# Altium PCB 606-100862-r02.pcbdoc (part 1 of 3) (continued)
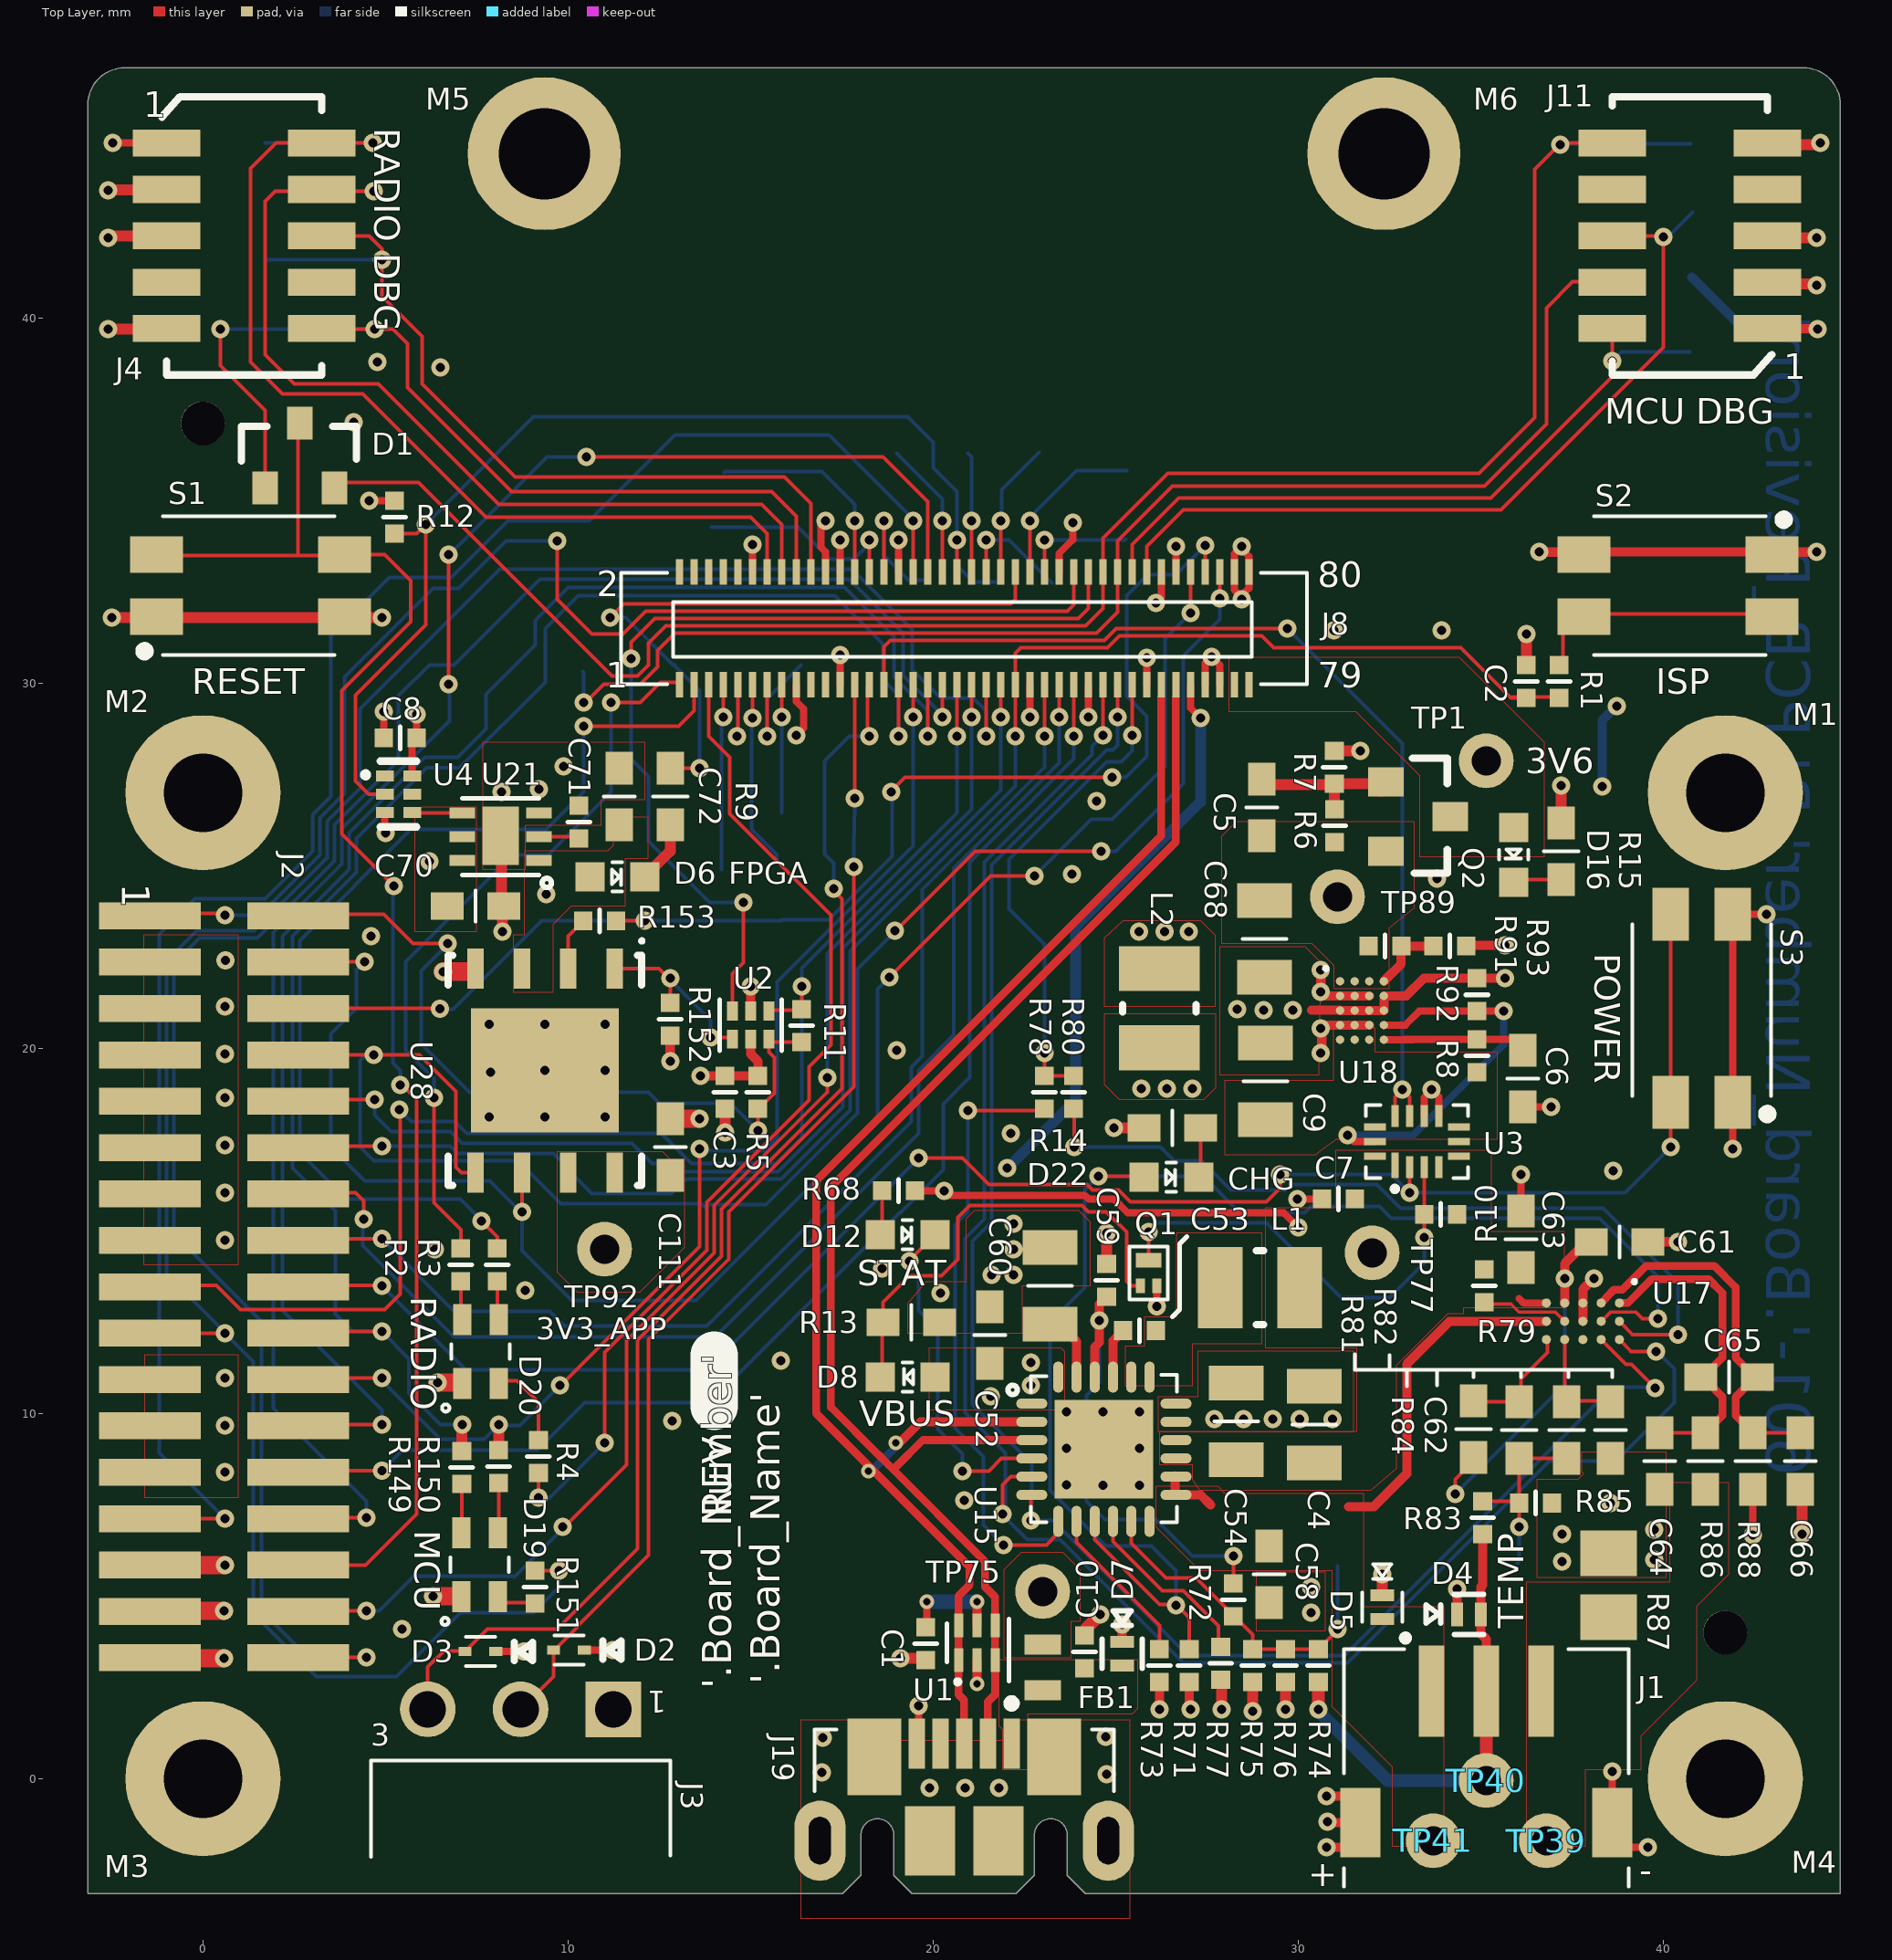
[diagram p0: Top Layer view]
## Components (designator, comment, footprint, x,y, rotation, side; value= is the part's Value field where it differs from the comment) (continued)
U3 "SLG4B41337" stqfn14_250x160x60 33.25,17.45 r90 top
U4 "NC7S04L6X" DFN6-NC7S04_110H 5.358,26.964 r270 top
U15 "BQ24297" QFN24_BQ24297RGE 24.679,9.02 r0 top
U17 "BQ27520" BGA15_BQ27520YZFR 37.8,12.525 r270 top
U18 "TPS630250" bga20_tps630252-YFF 31.748,21.037 r0 top
U21 "TPS73733DRVR" SON6_TPS73733DRV 8.15,25.8 r90 top
U28 "N25Q032A13EF640E" MLP8_N25Q032A_F6 9.372,19.39 r270 top

## Footprints (in the part's own frame and the unit in brackets; to place one, negate y for a bottom-side part, rotate by r counter-clockwise, add the part's x,y. Pads: shape width x height; smd on the part's side, far side on the other; paste and mask are expansions set on the pad)
0402-IPCsm_40#1 [mm] "0402-IPCSM_40"
  rect 0.5x0.52 smd mask+0: 1(-0.45,0) 2(0.45,0)
  silkscreen extent 0,-0.3 0,0.3
0402-IPCsm_40#2 [mm] "0402-IPCSM_40"
  rect 0.5x0.52 smd: 1(-0.45,0) 2(0.45,0)
  silkscreen extent 0,-0.3 0,0.3
0402-IPCsm_55#1 [mm] "0402-IPCSM_55"
  rect 0.5x0.52 smd mask+0: 1(-0.45,0) 2(0.45,0)
  silkscreen extent 0,-0.3 0,0.3
0402-IPCsm_55#2 [mm] "0402-IPCSM_55"
  rect 0.5x0.52 smd: 1(-0.45,0) 2(0.45,0)
  silkscreen extent 0,-0.3 0,0.3
0603-IPCsm_56#1 [mm] "0603-IPCSM_56"
  rect 0.9x0.75 smd mask+0: 1(-0.775,0) 2(0.775,0)
  silkscreen extent 0,-0.47 0,0.48
0603-IPCsm_56#2 [mm] "0603-IPCSM_56"
  rect 0.9x0.75 smd: 1(-0.775,0) 2(0.775,0)
  silkscreen extent 0,-0.47 0,0.48
0603-IPCsm_90#1 [mm] "0603-IPCSM_90"
  rect 0.9x0.75 smd mask+0: 1(0.775,0) 2(-0.775,0)
  silkscreen extent 0,-0.42 0,0.42
0603-IPCsm_90#2 [mm] "0603-IPCSM_90"
  rect 0.9x0.75 smd: 1(0.775,0) 2(-0.775,0)
  silkscreen extent 0,-0.42 0,0.42
0603-ipcsm_90#1 [mm] "0603-IPCSM_90"
  rect 0.9x0.75 smd mask+0: 1(0.775,0) 2(-0.775,0)
  silkscreen extent 0,-0.42 0,0.42
0603-ipcsm_90#2 [mm] "0603-IPCSM_90"
  rect 0.9x0.75 smd: 1(0.775,0) 2(-0.775,0)
  silkscreen extent 0,-0.42 0,0.42
0805-IPCsm_100 [mm] "0805-IPCSM_100"
  rect 0.95x1.5 smd: 1(-1.05,0) 2(1.05,0)
  silkscreen extent 0,-0.6 0,0.6
0805-ipcsm_145#1 [mm] "0805-IPCSM_145"
  rect 0.95x1.5 smd mask+0: 1(-1.05,0) 2(1.05,0)
  silkscreen extent 0,-0.6 0,0.6
0805-ipcsm_145#2 [mm] "0805-IPCSM_145"
  rect 0.95x1.5 smd: 1(-1.05,0) 2(1.05,0)
  silkscreen extent 0,-0.6 0,0.6
BGA15_BQ27520YZFR [mm] "IC BATT FUEL GAUGE LIION 15DSBGA"
  round 0.25 smd: A1(-0.5,1) A2(0,1) A3(0.5,1) B1(-0.5,0.5) B2(0,0.5) B3(0.5,0.5) C1(-0.5,0) C2(0,0) C3(0.5,0) D1(-0.5,-0.5) D2(0,-0.5) D3(0.5,-0.5) E1(-0.5,-1) E2(0,-1) E3(0.5,-1)
  silkscreen extent -1.13,1.36 -1.04,1.46
bga20_tps630252-YFF [mm] "IC REG BCK BST 3.3V 3.5A 20DSBGA"
  round 0.23 smd: A1(-0.6,0.8) A2(-0.2,0.8) A3(0.2,0.8) A4(0.6,0.8) B1(-0.6,0.4) B2(-0.2,0.4) B3(0.2,0.4) B4(0.6,0.4) C1(-0.6,0) C2(-0.2,0) C3(0.2,0) C4(0.6,0) D1(-0.6,-0.4) D2(-0.2,-0.4) D3(0.2,-0.4) D4(0.6,-0.4) E1(-0.6,-0.8) E2(-0.2,-0.8) E3(0.2,-0.8) E4(0.6,-0.8)
  silkscreen extent -1.04,1.1 -0.94,1.2
con80_hirose-df40c-80ds_129h [mm] "CONN RCPT 80POS 0.4MM SMD GOLD"
  rect 0.2x0.7 smd mask+0: 1(7.8,1.54) 2(7.8,-1.54) 3(7.4,1.54) 4(7.4,-1.54) 5(7,1.54) 6(7,-1.54) 7(6.6,1.54) 8(6.6,-1.54) 9(6.2,1.54) 10(6.2,-1.54) 11(5.8,1.54) 12(5.8,-1.54) 13(5.4,1.54) 14(5.4,-1.54) 15(5,1.54) 16(5,-1.54) 17(4.6,1.54) 18(4.6,-1.54) 19(4.2,1.54) 20(4.2,-1.54) 21(3.8,1.54) 22(3.8,-1.54) 23(3.4,1.54) 24(3.4,-1.54) 25(3,1.54) 26(3,-1.54) 27(2.6,1.54) 28(2.6,-1.54) 29(2.2,1.54) 30(2.2,-1.54) 31(1.8,1.54) 32(1.8,-1.54) 33(1.4,1.54) 34(1.4,-1.54) 35(1,1.54) 36(1,-1.54) 37(0.6,1.54) 38(0.6,-1.54) 39(0.2,1.54) 40(0.2,-1.54) 41(-0.2,1.54) 42(-0.2,-1.54) 43(-0.6,1.54) 44(-0.6,-1.54) 45(-1,1.54) 46(-1,-1.54) 47(-1.4,1.54) 48(-1.4,-1.54) 49(-1.8,1.54) 50(-1.8,-1.54) 51(-2.2,1.54) 52(-2.2,-1.54) 53(-2.6,1.54) 54(-2.6,-1.54) 55(-3,1.54) 56(-3,-1.54) 57(-3.4,1.54) 58(-3.4,-1.54) 59(-3.8,1.54) 60(-3.8,-1.54) 61(-4.2,1.54) 62(-4.2,-1.54) 63(-4.6,1.54) 64(-4.6,-1.54) 65(-5,1.54) 66(-5,-1.54) 67(-5.4,1.54) 68(-5.4,-1.54) 69(-5.8,1.54) 70(-5.8,-1.54) 71(-6.2,1.54) 72(-6.2,-1.54) 73(-6.6,1.54) 74(-6.6,-1.54) 75(-7,1.54) 76(-7,-1.54) 77(-7.4,1.54) 78(-7.4,-1.54) 79(-7.8,1.54) 80(-7.8,-1.54)
  silkscreen extent -9.4,-1.52 9.4,1.52
CON_HDR_1X3_RA [mil] "CON_HDR_1X3"
  rect 60x60 hole 39.37: 1(-100,0)
  round 60 hole 39.37: 2(0,0) 3(100,0)
  silkscreen extent -161,55 161,159
con_hdr_2x5_smt_50l#1 [mm] "CON_HDR_2X5_SMT_50L"
  rect 1.85x0.74 smd mask+0: 1(-2.125,2.54) 2(2.125,2.54) 3(-2.125,1.27) 4(2.125,1.27) 5(-2.125,0) 6(2.125,0) 7(-2.125,-1.27) 8(2.125,-1.27) 9(-2.125,-2.54) 10(2.125,-2.54)
  silkscreen extent -2.25,-3.81 2.12,3.81
con_hdr_2x5_smt_50l#2 [mm] "CON_HDR_2X5_SMT_50L"
  rect 1.85x0.74 smd: 1(-2.125,2.54) 2(2.125,2.54) 3(-2.125,1.27) 4(2.125,1.27) 5(-2.125,0) 6(2.125,0) 7(-2.125,-1.27) 8(2.125,-1.27) 9(-2.125,-2.54) 10(2.125,-2.54)
  silkscreen extent -2.25,-3.81 2.12,3.81
CON_JST_S3B-ZR-SM4A [mm] "CON_JST_S3B-ZR-SM4A"
  rect 0.7x2.5 smd mask+0: 1(1.5,-1.25) 2(0,-1.25) 3(-1.5,-1.25)
  rect 1.1x1.9 smd mask+0: 4(-3.45,2.35) 5(3.45,2.35)
  silkscreen extent -3.9,-2.79 3.9,4.1
CON_USB_MOLEX_105164-0001 [mm] "CON_USB_MOLEX_105164-0001"
  rect 0.45x1.38 smd mask+0: 1(-1.3,0) 2(-0.65,0) 3(0,0) 4(0.65,0) 5(1.3,0)
  rect 1.475x2.1 smd mask+0: 6(-2.462,0.36) 7(2.462,0.36)
  rect 1.375x1.9 smd mask+0: 8(-0.938,2.66) 9(0.938,2.66)
  oval 1.4x2.2 hole 0.6 slot 1.3 at 90 deg mask+0: 10(-3.95,2.66) 11(3.95,2.66)
  silkscreen extent -4.1,-1.2 4.1,1.3
DFN3-1006_50H [mm] "MOSFET N-CH 60V 260MA 3DFN"
  rect 0.4x0.7 smd mask+0: D(0.35,0)
  rect 0.4x0.25 smd mask+0: G(-0.35,0.225) S(-0.35,-0.225)
  silkscreen extent -0.72,-0.53 0.72,0.53
DFN6-NC7S04_110H [mm] "Inverter IC 1 Channel 6-MicroPak"
  rect 0.3x0.49 smd paste-0.025 mask+0: 1(-0.5,-0.375) 2(0,-0.375) 3(0.5,-0.375) 4(0.5,0.375) 5(0,0.375) 6(-0.5,0.375)
  silkscreen extent -0.9,-0.92 0.9,0.5
FTSH-117-01-XXX-DV-K [mil]
  rect 29x110 smd mask+0: 1(-400,-80) 2(-400,80) 3(-350,-80) 4(-350,80) 5(-300,-80) 6(-300,80) 7(-250,-80) 8(-250,80) 9(-200,-80) 10(-200,80) 11(-150,-80) 12(-150,80) 13(-100,-80) 14(-100,80) 15(-50,-80) 16(-50,80) 17(0,-80) 18(0,80) 19(50,-80) 20(50,80) 21(100,-80) 22(100,80) 23(150,-80) 24(150,80) 25(200,-80) 26(200,80) 27(250,-80) 28(250,80) 29(300,-80) 30(300,80) 31(350,-80) 32(350,80) 33(400,-80) 34(400,80)
ind-0603_38H [mm] "Chip Inductor, 2-Leads, Body 1.60x0.80mm, IPC Medium Density"
  rect 0.55x1 smd: 1(-0.625,0) 2(0.625,0)
ind-1008_35H [mm] "Chip Inductor, 2-Leads, Body 2.50x2.00mm, IPC Medium Density"
  rect 1.23x2.22 smd: 1(-1.085,0) 2(1.085,0)
  silkscreen extent -0.1,-1.01 0.1,1.01
led_ltst-c191kgkt_s80#1 [mm] "LED_LTST-C191KGKT_S80"
  rect 0.8x0.8 smd mask+0: 1(-0.75,0) 2(0.75,0)
  silkscreen extent -0.15,-0.4 0.13,0.4
led_ltst-c191kgkt_s80#2 [mm] "LED_LTST-C191KGKT_S80"
  rect 0.8x0.8 smd: 1(-0.75,0) 2(0.75,0)
  silkscreen extent -0.15,-0.4 0.13,0.4
led_RBG_1p6x1p6_sm [mm] "led_RBG_1p6x1p6_sm"
  rect 0.85x0.5 smd mask+0: 1(0.875,-0.5) 2(-0.875,-0.5) 3(-0.875,0.5) 4(0.875,0.5)
  silkscreen extent -0.2,-1.05 1.65,0.8
MLP8_N25Q032A_F6 [mm] "SON, 8-Leads, Body 5.00x6.00mm, Pitch 1.27mm, Thermal Pad 4.05x3.40mm, IPC Medium Density"
  rect 1.1x0.45 smd: 1(-2.79,1.905) 2(-2.79,0.635) 3(-2.79,-0.635) 4(-2.79,-1.905) 5(2.79,-1.905) 6(2.79,-0.635) 7(2.79,0.635) 8(2.79,1.905)
  rect 3.4x4.05 smd paste-1.7: 9(0,0)
  silkscreen extent -3.6,-2.65 3.15,2.7
MTGC425H215P [mm] "MTGC425H215P"
  round 4.25 hole 2.15: 1(0.007,0.011)
QFN24_BQ24297RGE [mm] "QFN24_BQ24297RGE"
  oval 0.85x0.28 smd mask+0: 1(-1.975,1.25) 2(-1.975,0.75) 3(-1.975,0.25) 4(-1.975,-0.25) 5(-1.975,-0.75) 6(-1.975,-1.25) 13(1.975,-1.25) 14(1.975,-0.75) 15(1.975,-0.25) 16(1.975,0.25) 17(1.975,0.75) 18(1.975,1.25)
  oval 0.28x0.85 smd mask+0: 7(-1.25,-1.975) 8(-0.75,-1.975) 9(-0.25,-1.975) 10(0.25,-1.975) 11(0.75,-1.975) 12(1.25,-1.975) 19(1.25,1.975) 20(0.75,1.975) 21(0.25,1.975) 22(-0.25,1.975) 23(-0.75,1.975) 24(-1.25,1.975)
  rect 2.7x2.7 smd paste-2.7 mask+0: pad(0,0)
  silkscreen extent -2.63,-2 2,2.03
r-0805_20H [mm] "Chip Resistor, 2-Leads, Body 2.03x1.27mm, IPC Medium Density"
  rect 1.25x1.55 smd: 1(-0.875,0) 2(0.875,0)
SOD882-60 [mm] "SOD882 .6mm High"
  rect 0.325x0.65 smd: A(0.325,0) C(-0.325,0)
  silkscreen extent -0.4,-0.55 1.18,0.55
sod923-40 [mm] "SOD923 .4mm High"
  rect 0.36x0.25 smd: A(0.42,0) C(-0.42,0)
  silkscreen extent -0.4,-0.4 1.44,0.4
SON6_TI_DRY [mm] "IC REG LDO 3.3V 1A 6SON"
  rect 0.3x0.52 smd paste-5 mask+0: 1(-0.5,-0.385) 2(0,-0.385) 3(0.5,-0.385) 4(0.5,0.385) 5(0,0.385) 6(-0.5,0.385)
  silkscreen extent -0.85,-0.7 0.85,0.7
SON6_TPS73733DRV [mm] "IC REG LDO 3.3V 1A 6SON"
  rect 0.3x0.7 smd paste-0.05: 1(-0.65,-1.05) 2(0,-1.05) 3(0.65,-1.05) 4(0.65,1.05) 5(0,1.05) 6(-0.65,1.05)
  rect 1.6x1 smd paste-0.05: 7(0.025,0)
  silkscreen extent -1.4,-1.4 1.05,1.05
SOT23_44H [mm] "SOT23_44H"
  rect 0.7x0.9 smd: 1(-0.95,-1.122) 2(0.95,-1.122) 3(0,0.648)
  silkscreen extent -1.6,-0.39 1.55,0.56
SOT23_112 [mm] "SOT23_112"
  rect 0.802x0.972 smd: 1(0,0) 2(1.9,0) 3(0.95,1.77)
  silkscreen extent -0.65,0.73 2.5,1.68
standoff_hole2p50p [mm] "standoff_hole2p50p"
  round 4.19 hole 2.5: 1(0,0)
stqfn14_250x160x60 [mm] "STQFN14"
  rect 0.7x0.2 smd mask+0: 1(-0.65,0.6)
  rect 0.6x0.2 smd mask+0: 2(-0.7,0.2) 3(-0.7,-0.2) 4(-0.7,-0.6) 8(0.7,-0.6) 9(0.7,-0.2) 10(0.7,0.2) 11(0.7,0.6)
  rect 0.2x0.6 smd mask+0: 5(-0.4,-1.15) 6(0,-1.15) 7(0.4,-1.15) 12(0.4,1.15) 13(0,1.15) 14(-0.4,1.15)
  silkscreen extent -1.34,-1.4 1,1.4
SW_EVQP2 [mm] "SW_EVQP2"
  rect 1.45x1 smd mask+0: 1(-2.575,-0.85) 2(-2.575,0.85) 3(2.575,-0.85) 4(2.575,0.85)
  silkscreen extent -3.02,-1.92 2.3,1.9
TP-S100_SMT [mm] "TP-S100_SMT"
  round 1 smd paste-0.5: 1(0,0)
TPC150H080P [mm]
  round 1.5 hole 0.8: 1(0,0)
"UQFN6_ USBULC6-2M6" [mm] "IC REG LDO 3.3V 1A 6SON"
  rect 0.25x0.65 smd paste-0.05 mask+0: 1(-0.5,-0.475) 2(0,-0.475) 3(0.5,-0.475) 4(0.5,0.475) 5(0,0.475) 6(-0.5,0.475)
  silkscreen extent -0.82,-1.12 0.87,0.65

## Part data
C1 C2 C3 C7 C8 C10: library part GRM155R71C104KA88D, "CAP CER .1UF 16V X7R 0402"
C4 C9 C54 C68: library part C2012X5R0J476M125AC, "CAP CER 47UF 6.3V 20% X5R 0805"
C5 C52 C58 C61: library part GRM188R61E105KA12D, "CAP CER 1UF 25V 10% X5R 0603"
C6 C62 C63 C64 C65 C66 C111: library part C0603C104J4RACTU, "CAP CER 0.1UF 16V 5% X7R 0603"
C53: library part C1005X7R1H473K050BB, "CAP CER 0.047UF 50V 10% X7R 0402"
C59: library part CL05A106MP5NUNC, "CAP CER 10UF 10V 20% X5R 0402"
C60: library part C2012JB1A226M085AC, "CAP CER 22UF 10V 20% JB 0805"
C70 C72: library part C1608X5R1A106K080AC, "CAP CER 10UF 10V 10% X5R 0603"
C71: library part GRM155R71E103KA01D, "CAP, 0.01 uF, 25V, 10%, 0402, X7R"
D1: "DIODE SWITCH DUAL CC 70V SOT23"
D2 D3: "TVS DIODE 3.3VWM 7.8VC SOD923"
D4 D5 D7: "TVS DIODE 5VWM 12VC SOD882"
D6 D8 D12 D16: library part LTST-C191KGKT, "LED GREEN CLEAR THIN 0603 SMD"
D19 D20: "LED RGB CLEAR 0606 SMD"
D22: library part LTST-C191KRKT, "LED RED CLEAR 0603 SMD"
FB1: library part MPZ1608S221A, "FERRITE CHIP 220 OHM 2A 0603"
J1: "3 Positions Header, Shrouded Connector 0.059\" (1.50mm) Surface Mount, Right Angle Tin"
J2: library part FTSH-117-01-F-DV-k, "34 Positions Header, Shrouded Connector 0.050\" (1.27mm) Surface Mount Gold"
J3: "3 Positions Header, Unshrouded Connector 0.100\" (2.54mm) Through Hole, Right Angle Gold"
J4 J11: "CONN HEADER .050\" 10PS DL SMD AU"
J8: library part DF40HC(3.0)-80DS-0.4V(51), "CONN RCPT 80POS 0.4MM SMD GOLD 3.0MM"
J19: library part 105164-0001, "USB - micro B Receptacle Connector 5 Position Surface Mount, Right Angle, Horizontal"
L1 L2: library part LQM2HPN1R0MG0L, "INDUCTOR 1.0UH 20% 1600MA 1008"
M1 M2 M3 M4: "MTG, 4.25mm PAD, 2.15mm Plated Hole"
M5 M6: "SMT mounted PEM Standoff, M1, length 3mm"
Q1: "MOSFET N-CH 60V 260MA 3DFN"
Q2: library part IRLML6401TRPBF, "MOSFET P-CH 12V 4.3A SOT-23"
R1: library part MCR01MZPJ101, "RES 100 OHM 5% 0402 SMD"
R2 R149: library part ERJ-2RKF2400X, "RES 240 OHM 1/10W 1% 0402 SMD"
R3 R4 R150 R151: library part RC0402FR-07124RL, "RES SMD 124 OHM 1% 1/16W 0402"
R5 R12 R71 R73 R76 R79 R85 R92 R152: library part ERJ-2GEJ103X, "RES 10K OHM 1/10W 5% 0402 SMD"
R6 R7: library part ERJ-2GEJ104X, "RES 100K OHM 1/16W 5% 0402 SMD"
R8 R11 R74 R78 R80 R83: library part ERJ-2GE0R00X, "RES 0.0 OHM 1/10W JUMP 0402 SMD"
R9 R13 R14 R15 R84: library part RC0603FR-071KL, "RES 1K 1/10W 1% 0603 SMD"
R10: library part ERJ-2RKF3001X, "RES 3.00K OHM 1/16W 1% 0402 SMD"
R68: library part ERJ-2GEJ222X, "RES SMD 2.2K OHM 5% 1/10W 0402"
R72: library part ERJ-2RKF5231X, "RES 5.23K OHM 1/10W 1% 0402 SMD"
R75: library part ERJ-2RKF3162X, "RES 31.6K OHM 0.1W 1% 0402 SMD"
R77: library part ERJ-2RKF4300X, "RES 430 OHM 1/10W 1% 0402 SMD"
R81: library part ERJ-3EKF1804V, "RES 1.80M OHM 1/10W 1% 0603 SMD"
R82: library part ERJ-3EKF1822V, "RES 18.2K OHM 1/10W 1% 0603 SMD"
R86 R88: library part ERJ-3GEYJ101V, "RES 100 OHM 1/10W 5% 0603 SMD"
R87: library part PMR10EZPFU10L0, "RES 0.01 OHM 1/2W 1% 0805 SMD"
R91: library part ERJ-2RKF5233X, "RES SMD 523K OHM 1% 1/10W 0402"
R93: library part ERJ-2RKF1433X, "RES 143K OHM 1/16W 1% 0402 SMD"
R153: library part ERJ-2GEJ330X, "RES 33 OHM 1/16W 5% 0402 SMD"
S1 S2 S3: "SWITCH TACTILE SPST-NO 0.02A 15V"
TP1 TP39 TP40 TP41 TP75 TP77 TP89 TP92: "TESTPOINT, 1.5mm pad, 0.8 mm plated"
TP2 TP3 TP4 TP5 TP6 TP7 TP8 TP9 TP10 TP11 TP12 TP13 TP14 TP15 TP16 TP17 TP18 TP19 TP20 TP21 TP22 TP23 TP24 TP25 TP26 TP27 TP28 TP29 TP30 TP31 TP32 TP33 TP34 TP35 TP36 TP37 TP38 TP42 TP43 TP44 TP45 TP46 TP47 TP48 TP49 TP50 TP51 TP52 TP53 TP54 TP55 TP56 TP57 TP58 TP59 TP60 TP61 TP62 TP78 TP79 TP80 TP81 TP82 TP84: library part TP0042, "TESTPOINT, 1MM SMD, Square pad, Round SM opening"
U1: "TVS DIODE 5VWM 17VC 6VFQFPN"
U2: library part SN74LVC1G18DRYR, "IC SGL OPEN DRAIN BUFFER SC70-5"
U3: "GreenPAK Programmable Mixed Signal Array 14 pin"
U4: "Inverter IC 1 Channel 6-MicroPak"
U15: library part BQ24297RGET, "IC LI+ CHARGER PWR MGMT 24VQFN"
U17: library part BQ27520YZFR-G4, "IC BATT FUEL GAUGE LIION 15DSBGA"
U18: library part TPS630250YFFT, "IC REG BCK BST ADJ 2A/4A 20DSBGA"
U21: "IC REG LDO 3.3V 1A 6SON"
U28: "IC FLASH 32MBIT 108MHZ 8VDFN"

## Free pads (board coordinates)
  round 1.2 hole 1.2 unplated: 0(0,37.113) 0(41.7,4)

## Via types
v1: diameter 0.5, hole 0.25, Top Layer to Bottom Layer, tented both sides, 293 vias
v2: diameter 0.5, hole 0.25, Top Layer to Bottom Layer, tented bottom, 9 vias
v3: diameter 0.5, hole 0.25, Top Layer to Bottom Layer, 8 vias
v4: diameter 0.4, hole 0.2, Top Layer to Bottom Layer, tented both sides, 5 vias

## Nets (pads, with @x,y where several pads share a name; then routed paths per layer and width w, separated by ;. In a path a pad name is that pad's centre, name@x,y a point inside that pad or via, vN(x,y) a via of type N, cw(c..) or ccw(c..) an arc to the next point about the centre after c; other vN are vias at no path point)
3V3_APP_EN: U4.4 U21.4 | length 1.5
  Top Layer w0.1: U4.4@5.733,26.464 5.747,26.45 U21.4@7.1,26.45 U21.4@7.033,26.517
3V3_APP_NEN: J8.40 R12.2 TP36.1 U4.2 | length 31.1
  Top Layer w0.1: U4.2@4.983,26.964 4.536,26.964 4.175,27.325 4.175,29.675 6.1,31.6 v1(6.1,34.35) 5.85,34.1 R12.2@5.25,34.1 ; J8.40@20.65,33.04 v1(20.65,33.925)
  Bottom Layer w0.1: v1(6.1,34.35) 9.05,37.3 19.3,37.3 20,36.6 20,35.9 20.65,35.25 v1(20.65,33.925) 20.65,33.225 21.1,32.775 TP36.1@21.475,32.775 TP36.1@21.85,32.775
3V6_EN: R92.1 U3.13 U18.D4 | length 10.5
  Top Layer w0.2: v1(31.35,17.625) 31.525,17.45 U3.13@32.1,17.45 ; U18.D4@32.348,20.637 32.937,20.637 33.315,21.015 R92.1@34.897,21.015 34.907,21.025 v1(35.625,21.025)
  Bottom Layer w0.2: v1(31.35,17.625) 33.155,17.625 35.625,20.095 v1(35.625,21.025)
3V6_FB: R91.2 R93.1 U18.A4 | length 2.1
  Top Layer w0.25: U18.A4@32.348,21.837 32.822,22.311 32.822,22.8 R91.2@32.825,22.8 R93.1@33.7,22.8 33.707,22.8 R93.1@33.747,22.84
3V6_OUT: C5.1 C68.1 Q2.2 R6.1 R91.1 TP89.1 U18.A1 U18.A2 U18.A3 | length 0.3
  Top Layer w0.2: C68.1@28.95,24.125 C68.1@29.05,24.025 ; C5.1@29,25.925 C5.1@29,26.125
3V6_VINA: C6.1 R8.2 U18.E4 | length 4.2
  Top Layer w0.2: U18.E4@32.348,20.237 33.138,20.237 33.125,20.25 ; 32.922,20.25 33.125,20.25 ; C6.1@36.15,19.95 35.85,20.25 R8.2@34.9,20.25 33.125,20.25
BAT_CE: R79.2 U17.D2 | length 2.4
  Top Layer w0.08: 35.825,13 36.05,12.775 37.048,12.775
  Top Layer w0.1: R79.2@35.1,13.098 35.198,13 35.825,13 ; 37.048,12.775 U17.D2@37.3,12.523
BAT_INT: R80.1 U17.A2 | length 22.4
  Top Layer w0.1: R80.1@23.85,18.35 23.862,18.338 v1(23.862,17.3) ; U17.A2@38.8,12.523 39.161,12.162 v1(40.4,12.162)
  Bottom Layer w0.1: v1(23.862,17.3) 26.225,17.3 26.6,16.925 27.35,16.925 28.151,16.124 29.659,16.124 29.811,16.276 32.149,16.276 32.8,15.625 38.35,15.625 40.4,13.575 v1(40.4,12.162)
BATCHG_INT: J8.63 R78.2 R80.2 TP84.1 | length 13.4
  Top Layer w0.1: v1(23.05,19.875) R78.2@23.05,19.25 R80.2@23.85,19.25 ; J8.63@25.41,29.832 25.451,29.791 v1(25.451,28.576)
  Bottom Layer w0.1: v1(23.05,19.875) 23.05,22.85 22.075,23.825 22.075,25.175 24.75,27.85 25.15,27.85 25.451,28.151 v1(25.451,28.576)
BATT+: C58.1 D5.C J1.1 TP41.1 U15.13 U15.14 U17.E2 | length 10.8
  Top Layer w0.25: U15.13@26.629,7.798 U15.14@26.629,8.298 ; U15.13@26.654,7.77 27.33,7.77 27.6,7.5 ; 31.375,7.45 32.075,7.45 32.975,8.35 32.975,11.35 34.148,12.523 U17.E2@36.8,12.523
BATT-: J1.3 R86.2 R87.1 TP39.1 | length 0.1
  Top Layer w0.25: R86.2@41.154,7.925 R86.2@41.154,8
BATT_TS: D4.C J1.2 R74.2 R83.2 TP40.1 | length 13.1
  Top Layer w0.25: D4.C@35,4.55 D4.C@35,4.5 ; R83.2@35.054,6.698 35.05,5.3 35.002,5.252 D4.C@35,4.5 ; J1.2@35.15,2.4 35.15,3.825 35,3.975 D4.C@35,4.5
  Top Layer w0.35: v1(30.55,1.9) 30.55,2.546 30.5,2.596 R74.2@30.554,2.65 ; R83.2@35.052,6.7 R83.2@35.054,6.698 ; TP40.1@35.15,-0.05 J1.2@35.15,2.4
  Bottom Layer w0.35: v1(30.55,1.9) 30.55,1.85 32.45,-0.05 TP40.1@35.15,-0.05
BTN_SYS_CONT: J2.18 S3.2 S3.4 U3.2 | length 49.4
  Top Layer w0.1: J2.18@3.025,13.51 4.89,13.51 v1(4.9,13.5) ; v1(19.6,17) 20.8,17 21.525,16.275 24.213,16.275 24.368,16.12 25.08,16.12 25.4,15.8 29.125,15.8 29.5,16.175 v1(29.5,16.55) ; v1(33.05,16.05) U3.2@33.05,16.75 ; v1(40.2,17.3) S3.2@40.2,18.525 S3.4@40.2,23.675
  Bottom Layer w0.1: v1(4.9,13.5) 7.2,11.2 13.8,11.2 v1(19.6,17) ; v1(29.5,16.55) 32.55,16.55 v1(33.05,16.05) 38.95,16.05 v1(40.2,17.3)
BTN_SYS_MCU: J8.29 TP25.1 U3.10 U3.11 | length 27.9
  Top Layer w0.1: J8.29@18.65,29.96 18.65,31 18.825,31.175 24.692,31.175 25.017,31.5 v1(29.7,31.5) ; U3.11@32.65,18.15 32.65,18.675 v1(32.85,18.875) 33.05,18.675 U3.10@33.05,18.15
  Bottom Layer w0.1: v1(29.7,31.5) TP25.1@32.8,28.4 32.85,28.35 32.85,18.9 v1@32.875,18.875
CHG_BTST: C53.2 U15.21 | length 1.3
  Top Layer w0.254: U15.21@24.929,11.048 24.929,11.993 C53.2@25.204,12.268